# Altium PCB AI_XiaoZhi_4G.PcbDoc (continued)
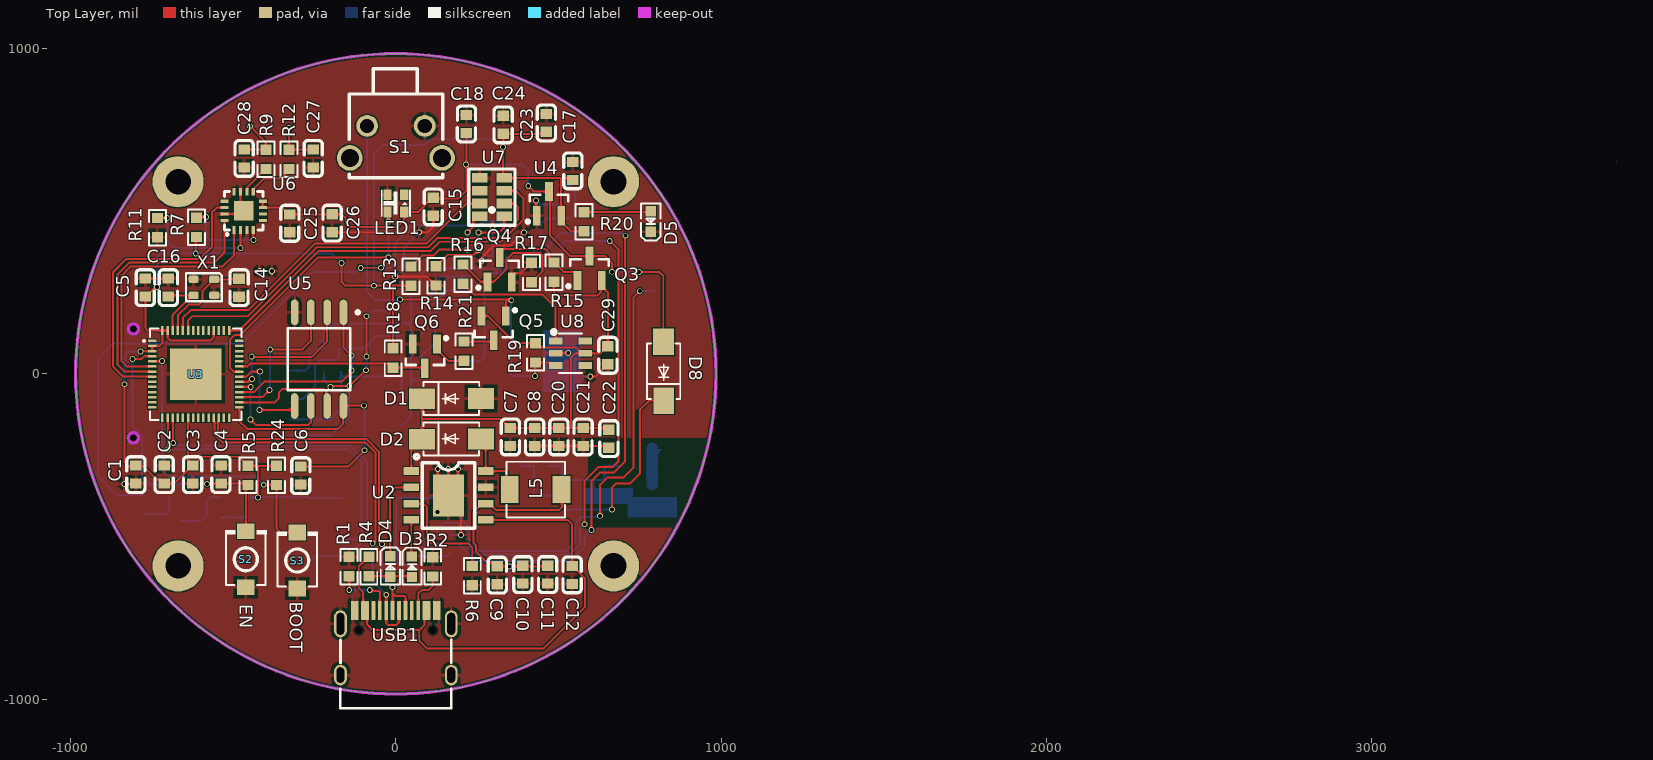
[diagram p0: Top Layer view]
## Footprints (in the part's own frame and the unit in brackets; to place one, negate y for a bottom-side part, rotate by r counter-clockwise, add the part's x,y. Pads: shape width x height; smd on the part's side, far side on the other; paste and mask are expansions set on the pad) (continued)
  Keep-Out Layer circle w0.254: c3.5,-5.49 r0.4
  Keep-Out Layer circle w0.025: c3.5,-5.49 r0.4
  Keep-Out Layer circle w0.254: c-5,-5.49 r0.4
  Keep-Out Layer circle w0.025: c-5,-5.49 r0.4
  silkscreen extent -6.73,-8.25 6.73,6.73, body extent -6.62,-7.77 6.42,6.8, height 1.35
SMD_L4.4-W4.2 [mm]
  rect 1.4x2.12 smd: 1(2.028,0) 2(-2.028,0)
  silkscreen extent -2.28,-2.18 2.28,2.18, body extent -2.2,-2.1 2.2,2.1, height 2.1
SOIC-8 [mm]
  oval 2x0.6 smd: 1(-3.658,1.905) 2(-3.658,0.635) 3(-3.658,-0.635) 4(-3.658,-1.905) 5(3.658,-1.905) 6(3.658,-0.635) 7(3.658,0.635) 8(3.658,1.905)
  silkscreen extent -3.78,-2.45 2.41,3.15, body extent -3.95,-2.62 3.95,2.62, height 1.9
SOT-23 [mm]
  rect 1.5x0.6 smd: 1(-0.95,0.95) 2(-0.95,-0.95) 3(0.95,0)
  silkscreen extent -1.52,-1.5 0.7,1.78, body extent -1.16,-1.45 1.21,1.45, height 1
SOT-23-6 [mil]
  rect 20.95x42.2 smd: 1(-37.4,-45.24) 2(0,-45.24) 3(37.4,-45.24) 4(37.4,45.24) 5(0,45.24) 6(-37.4,45.24)
  silkscreen extent -72,-57 61,35, body extent -57,-55 57,55, height 63
SOT-363 [mm]
  rect 0.9x0.4 smd: 1(0.9,-0.65) 2(0.9,0) 3(0.9,0.65) 4(-0.9,0.65) 5(-0.9,0) 6(-0.9,-0.65)
  silkscreen extent -0.7,-1.4 1.14,1.1, body extent -1.06,-1 1.06,1, height 1.2
SW-SMD_L3.9-W3.0-P4.45 [mm]
  rect 1.23x1.36 smd: 1(-2.185,0) 2(2.185,0)
  silkscreen extent -2.03,-1.62 2.25,1.62, body extent -2.37,-1.42 2.43,1.48, height 1.95
SW_TS [mm]
  round 1.7 hole 1.1: 1(-2.25,-1.25) 2(2.25,-1.25)
  round 2 hole 1.4: 3(3.6,1.25) 4(-3.6,1.25)
  silkscreen extent -3.65,-5.71 3.65,2.79, body extent -4.18,-5.19 4.18,2.86, height 7.37
TQFN-16 [mm]
  rect 0.25x0.6 smd paste-100 mask+0.051: 1(-0.748,-1.5) 2(-0.249,-1.5) 3(0.252,-1.5) 4(0.751,-1.5) 9(0.75,1.5) 10(0.25,1.5) 11(-0.25,1.5) 12(-0.748,1.5)
  rect 0.6x0.25 smd paste-100 mask+0.051: 5(1.5,-0.748) 6(1.5,-0.248) 7(1.5,0.252) 8(1.5,0.752) 13(-1.5,0.752) 14(-1.5,0.252) 15(-1.5,-0.248) 16(-1.5,-0.748)
  rect 1.5x1.5 smd paste-100 mask+0.051: 17(0,0)
  silkscreen extent -1.5,-1.9 1.5,1.5, body extent -1.51,-1.51 1.51,1.51, height 0.75
TSSOP-20_L6.5-W4.4-P0.65-LS6.4-BL [mil]
  oval 14.33x68.58 smd: 1(-115.16,-113.03) 2(-89.57,-113.03) 3(-63.98,-113.03) 4(-38.39,-113.03) 5(-12.79,-113.03) 6(12.8,-113.03) 7(38.39,-113.03) 8(63.98,-113.03) 9(89.57,-113.03) 10(115.16,-113.03) 11(115.16,113.03) 12(89.57,113.03) 13(63.98,113.03) 14(38.39,113.03) 15(12.8,113.03) 16(-12.79,113.03) 17(-38.39,113.03) 18(-63.98,113.03) 19(-89.57,113.03) 20(-115.16,113.03)
  silkscreen extent -146,-119 131,70, body extent -128,-126 128,126, height 41
Type-C-TOP [mm]
  round 0.65 hole 0.65: 0(-0.98,2.89) 0(-0.98,-2.89)
  oval 1.6x1 hole 0.6 slot 1.2 at 0 deg: 1(2.52,4.325) 2(2.52,-4.325)
  oval 2.1x1 hole 0.6 slot 1.7 at 0 deg: 3(-1.48,-4.325) 4(-1.48,4.325)
  rrect50% 1.5x0.3 smd: A1(-2.52,-3.35) A4(-2.52,-2.55) A5(-2.52,-1.25) A6(-2.52,-0.25) A7(-2.52,0.25) A8(-2.52,1.25) A9(-2.52,2.55) A12(-2.52,3.35) B1(-2.52,3.05) B4(-2.52,2.25) B5(-2.52,1.75) B6(-2.52,0.75) B7(-2.52,-0.75) B8(-2.52,-1.75) B9(-2.52,-2.25) B12(-2.52,-3.05)
  silkscreen extent -0.22,-4.33 5.12,4.33, body extent -2.57,-4.48 5.18,4.47, height 3.26

## Part data
C1 C2 C3 C4 C5 C6 C7 C8 C9 C10 C11 C12 C14 C15 C16 C17 C18 C19 C20 C21 C22 C23 C24 C25 C26 C27 C28 C29 C30 C31 C32 C33: "无极性电容", LatestRevisionDate=17-Jul-2002, LatestRevisionNote="Re-released for DXP Platform.", PackageReference=RAD-0.3, Published=8-Jun-2000, Publisher="Altium Limited"
C13 C34: "极性电解电容", LatestRevisionDate=17-Jul-2002, LatestRevisionNote="Re-released for DXP Platform.", PackageReference=RB7.6-15, Published=8-Jun-2000, Publisher="Altium Limited", Vol=6.3V
D1: "稳压二极管", Code_JEDEC=DO-214-AA, LatestRevisionDate=17-Jul-2002, LatestRevisionNote="Re-released for DXP Platform.", PackageReference=SMB, Published=8-Jun-2000, Publisher="Altium Limited"
D2 D8: "二极管", PackageDocument=Sep-1996, Code_JEDEC=DO-214-AB, LatestRevisionDate=17-Jul-2002, LatestRevisionNote="Re-released for DXP Platform.", PackageReference=SMC, Published=8-Jun-2000, Publisher="Altium Limited"
  D2: Type=SS34
  D8: Type=ES1J
D3 D4 D5 D7: "发光二极管", LatestRevisionDate=08-Jul-2005, LatestRevisionNote="Mech Layer 1 removed.", PackageReference=LED-0, Published=8-Jun-2000, Publisher="Altium Limited"
D6: Breakdown Voltage=6.2V, JLCPCB Part Class="Extended Part", Manufacturer=onsemi(安森美), Maximum Clamping Voltage=12.5V, Operating Temperature=-40℃~+125℃@(Tj), Peak Pulse Power Dissipation (Ppp)@10/1000us=100W, Reverse Stand-Off Voltage (Vrwm)=5V, Add into BOM=yes, Convert to PCB=yes, Datasheet=https://atta.szlcsc.com/upload/public/pdf/source/20140815/1457707218009.pdf, Device=SMF05CT1G, LCSC Part Name=SMF05CT1G, Manufacturer Part=SMF05CT1G, Number of Lines=五路, Supplier=LCSC, Supplier Footprint=SOT-363-6, Supplier Part=C15879, Symbol=SMF05CT1G, Type=ESD
IPX1: library part IPEX-1, "IPEX座-1代"
L5: "电感", Code_IEC=1005, Code_JEITA=0402, LatestRevisionDate=17-Jul-2002, LatestRevisionNote="Re-released for DXP Platform.", PackageReference=0402-A, Published=8-Jun-2000, Publisher="Altium Limited"
LED1: JLCPCB Part Class="Extended Part", LCSC Part Name=幻彩透明, Manufacturer=XINGLIGHT(成兴光), Add into BOM=yes, Convert to PCB=yes, Datasheet=https://atta.szlcsc.com/upload/public/pdf/source/20230111/97A2D5930F183799801175706AF118AF.pdf, Device=XL-2020RGBC-WS2812B, Manufacturer Part=XL-2020RGBC-WS2812B, Supplier=LCSC, Supplier Footprint=2020, Supplier Part=C5349955, Symbol=XL-2020RGBC-WS2812B
P1 P2: "接插件", LatestRevisionDate=17-Jul-2002, LatestRevisionNote="Re-released for DXP Platform.", Publisher="Altium Limited"
Q2 Q4 Q6: library part NPN_BJT, "NPN三极管", PackageDocument=Sep-1998, Code_JEDEC=TO-92A, ComponentLink1Description="Manufacturer Link", ComponentLink1URL=http://www.fairchildsemi.com/, ComponentLink2Description=Datasheet, ComponentLink2URL=http://www.fairchildsemi.com/ds/2N%2F2N3904.pdf, DatasheetDocument=1997, LatestRevisionDate=15-Jan-2003, LatestRevisionNote="PCB Footprint 'BCY-W3/D4.7' replaced", PackageReference=TO-92A, Published=8-Jun-2000, Publisher="Altium Limited"
Q3 Q5: "PNP MOS管", PackageDocument=1995/1996, LatestRevisionDate=17-Jul-2002, LatestRevisionNote="Re-released for DXP Platform.", PackageReference=E3, Published=8-Jun-2000, Publisher="Altium Limited"
R1 R2 R4 R5 R6 R7 R8 R9 R10 R11 R12 R13 R14 R15 R16 R17 R18 R19 R20 R21 R22 R23 R24 R25 R26 R27 R30 R31 R32: "贴片电阻", LatestRevisionDate=17-Jul-2002, LatestRevisionNote="Re-released for DXP Platform.", PackageReference=AXIAL-0.4, Published=8-Jun-2000, Publisher="Altium Limited"
S1: library part SW-TS, "微动开关", LatestRevisionDate=17-Jul-2002, LatestRevisionNote="Re-released for DXP Platform.", PackageReference=SPST-2, Published=24-Mar-1999, Publisher="Altium Limited"
S2 S3: "微动开关", LatestRevisionDate=17-Jul-2002, LatestRevisionNote="Re-released for DXP Platform.", PackageReference=SPST-2, Published=24-Mar-1999, Publisher="Altium Limited"
SIM1: JLCPCB Part Class="Extended Part", LCSC Part Name="自弹式 NanoSIM卡 卡座", Manufacturer="SHOU HAN(首韩)", Operating Temperature Range=-40℃~+70℃, Add into BOM=yes, Body Height (Max)=1.37mm, Card Connection Mode=自弹式, Card Detection=有插卡检测, Card Type=NanoSIM卡, Connector Type=卡座, Convert to PCB=yes, Datasheet=https://atta.szlcsc.com/upload/public/pdf/source/20230818/0FFC58DEBCCAE2358C5DB79170A6475F.pdf, Device="NANO SIM 7P H1.37", Manufacturer Part="NANO SIM 7P H1.37", Supplementary Features=-, Supplier=LCSC, Supplier Footprint=SMD, Supplier Part=C7529384, Symbol="NANO SIM 7P H1.37"
U1: JLCPCB Part Class="Extended Part", LCSC Part Name=ML307A-DNLM, Add into BOM=yes, Convert to PCB=yes, Datasheet=https://atta.szlcsc.comnull, Device=ML307R-DC, Manufacturer Part=ML307A-DNLM, Name=ML307A-DNLM, Supplier=LCSC, Supplier Footprint=LCC+LGA, Supplier Part=C9900016206, Symbol=ML307R-DC
U2: "单节锂电池充电管理模块", JLCPCB Part Class="Extended Part", Manufacturer=TOPPOWER(南京拓微), Add into BOM=yes, Convert to PCB=yes, Datasheet=https://atta.szlcsc.com/upload/public/pdf/source/20210909/352D9D40D77A1DD73F7904E364EF004B.pdf, Device=TP5400, LCSC Part Name=TP5400, Manufacturer Part=TP5400, Supplier=LCSC, Supplier Footprint=ESOP-8, Supplier Part=C2891434, Symbol=TP5400_C2891434
U3: Frequency Range=2.412GHz~2.484GHz, JLCPCB Part Class="Extended Part", Manufacturer=ESPRESSIF(乐鑫), Operating Temperature=-40℃~+85℃, Operating Voltage=3.3V, Output Power=21dBm, Add into BOM=yes, Applications=蓝牙；WiFi, Convert to PCB=yes, Data Rate=150Mbps, Datasheet=https://atta.szlcsc.com/upload/public/pdf/source/20231007/CDA236FFCB3F25B7D5220D2CA9867287.pdf, Device=ESP32-S3R8, Interface=I2C,I2S,SPI,UART,USB, LCSC Part Name=ESP32-S3R8, Manufacturer Part=ESP32-S3R8, Sensitivity=-98.4dBm, Supplier=LCSC, Supplier Footprint=QFN-56(7x7), Supplier Part=C2913194, Symbol=ESP32-S3(R8)
U4: library part XC6206PXXX, "LDO稳压芯片"
U5: "flash", JLCPCB Part Class="Extended Part", Manufacturer=BOYAMICRO(博雅), Add into BOM=yes, Convert to PCB=yes, Datasheet=https://atta.szlcsc.com/upload/public/pdf/source/20200115/C484307_596E90FF37B40D62A7480E9A92FA21AA.pdf, Device=BY25Q128ASSIG(T), LCSC Part Name=BY25Q128ASSIG(T), Manufacturer Part=BY25Q128ASSIG(T), Supplier=LCSC, Supplier Footprint=SOP-8-208mil, Supplier Part=C484307, Symbol=BY25Q128ASSIG(T)
U6: "扬声器驱动芯片", JLCPCB Part Class="Extended Part", LCSC Part Name="微型、低成本、PCM 类 D 级放大器具有 AB 级性能", Manufacturer=ADI(亚德诺)/MAXIM(美信), Operating Temperature=-40℃~+85℃, Output Power=3.2Wx2@4Ω, Supply Voltage=2.5V~5.5V, Type of Power Amplifier=-, Add into BOM=yes, Convert to PCB=yes, Datasheet=https://atta.szlcsc.com/upload/public/pdf/source/20210106/C910544_CB6DE4B2CEE254A72E6BDB40E718D281.pdf, Device=MAX98357AETE+T, Manufacturer Part=MAX98357AETE+T, Speaker Channels=单声道, Supplier=LCSC, Supplier Footprint=TQFN-16-EP(3x3), Supplier Part=C910544, Symbol=MAX98357AETE+T
U7: library part MIC, JLCPCB Part Class="Extended Part", Manufacturer=MEMS(敏芯微), Add into BOM=yes, Convert to PCB=yes, Datasheet=https://atta.szlcsc.com/upload/public/pdf/source/20210707/C2840615_6AE5BCBEE3224C96A8195D5DC270E7C8.pdf, Device=MSM261S4030H0R, LCSC Part Name=MSM261S4030H0R, Manufacturer Part=MSM261S4030H0R, Supplier=LCSC, Supplier Footprint=-, Supplier Part=C2840615, Symbol=MSM261S4030H0R
U8: "长按开关机"
U9: JLCPCB Part Class="Extended Part", LCSC Part Name="100Mbps 8位双向电平转换器", Manufacturer=TI(德州仪器), Operating Temperature=-40℃~+85℃, Supply Voltage (VCCA)=1.2V~3.6V, Supply Voltage (VCCB)=1.65V~5.5V, Add into BOM=yes, Channel Type=双向, Channels per Circuit=8, Convert to PCB=yes, Data Rate=100Mbps, Datasheet=https://www.ti.com/cn/lit/gpn/txb0108, Device=TXB0108PWR, Features=自动方向检测, Input Signal=-, Manufacturer Part=TXB0108PWR, Number of Circuits=1, Output Signal=-, Output Type=三态；非反相, Supplier=LCSC, Supplier Footprint=TSSOP-20, Supplier Part=C53406, Symbol=TXB0108PWR
USB1: library part USB-Type-C-TOP, "16Pins TYPEC"
X1: library part XTAL4G, "无源晶振", Package="SMD-6 ECS International", Availability=Unavailable, MF="ECS International", MP=ECS-3225S30-240-EN-TR, Price="0.75 USD"

## Free pads (board coordinates)
  round 157.48 hole 78.74: 0(-669.29,-590.55) 0(-669.29,590.55) 0(669.29,-590.55) 0(669.29,590.55)

## Via types
v1: diameter 18, hole 12, Top Layer to Bottom Layer, 80 vias
v2: diameter 20, hole 12, Top Layer to Bottom Layer, 2 vias

## Nets (pads, with @x,y where several pads share a name; then routed paths per layer and width w, separated by ;. In a path a pad name is that pad's centre, name@x,y a point inside that pad or via, vN(x,y) a via of type N, cw(c..) or ccw(c..) an arc to the next point about the centre after c; other vN are vias at no path point)
3V3: C1.2 C2.1 C3.2 C5.1 C17.2 C23.1 C24.1 C32.2 C33.2 R5.2 R7.2 R13.2 R18.1 R20.2 R24.2 R27.2 U3.2 U3.3 U3.20 U3.46 U3.55 U3.56 U4.2 U7.8 U9.19 | length 4736.8
  Top Layer w6: v1(-834,-32) -834,-272 -822.16,-283.84 -800.8,-283.84 C1.2 -797.23,-283.73 -775.75,-283.73 -734.14,-325.34 -723.52,-325.34 C2.1 -681.6,-337.12 -626.48,-282 C3.2@-625.87,-282 ; v1(-785,69) -784.57,69.43 -749.59,69.43 U3.3 U3.2 -726.39,85.61 -717.36,94.64 U3.56 ; v1(-734,267) -736.3,264.7 -741.06,264.7 -767.99,237.78 C5.1 -769.95,140.95 -762,133 -717.51,133 U3.56 ; U3.20 -638.62,-269.25 C3.2@-625.87,-282 ; v1(-615,370) -615,418.8 R7.2 ; U3.46 -559.88,113.12 -571,102 -693,102 -701.62,110.61 U3.55 U3.56 ; v1(-424,-380) -423,-379 -423,-282.7 ; R24.2 -423,-282.7 ; v1(-167,341) -167,283 -154.81,270.81 v1(-66.81,270.81) -7.99,270.81 ; R18.1 -7.99,270.81 ; R13.2 -7.99,270.81 ; C23.1 457.05,737.78 C24.1 330.05,604.87 U7.8 508,602.11 ; C17.2 537.95,602.11 508,602.11 ; R20.2 538.47,437.81 508.4,467.88 U4.2 508.4,601.71 508,602.11 ; C3.2@-625.87,-282 C3.2 -622.54,-282 -595.54,-255 -483.07,-255 -455.36,-282.7 R5.2 -423,-282.7
  Bottom Layer w6: v1(-834,-32) -834,59 -824,69 v1(-785,69) ; v1(-734,267) -734,359 -722,371 -616,371 v1(-615,370) -198,370 -197.49,370.51 -167.97,341 v1(-167,341) ; R27.2 -270.34,-378.81 C32.2 -267.72,-381.43 U9.19 ; v1(-66.81,270.81) -66.6,271.02 -66.6,491.27 -66.39,491.48 -66.39,675.61 -39,703 88,703 106,721 306,721 v1(330,697)
BCLK_SPK: U3.7 U6.16 | length 847.9
  Top Layer w6: U3.7 -833.88,6.88 -856,29 -856,305 -819,342 -558,342 -526.64,373.36 U6.16
CHIP_PU: C4.1 R5.1 S2.2 U3.4 | length 921.7
  Top Layer w6: v1(-809,45) -782,45 -772.88,54.12 U3.4 U3.4@-748.22,55.06 ; v1(-579.99,-338.13) -578.98,-337.12 C4.1 -459.13,-337.12 R5.1 -461,-348.8 S2.2
  Bottom Layer w6: v1(-809,45) -809,-161 -780,-190 -780,-316 -756,-340 -688.75,-340 -686.87,-338.13 v1(-579.99,-338.13)
DC_RX: U3.17 U9.13 | length 1019.4
  Top Layer w6: U3.17 -684.93,-136.09 -684.93,-212.07 v1(-684,-213)
  Bottom Layer w6: v1(-684,-213) -681.49,-213 -674.49,-220 -142,-220 -88,-274 -88,-500 -122.98,-534.98 U9.13
DC_TX: U3.16 U9.14 | length 997.5
  Top Layer w6: U3.16 -700.81,-135.96 -700.81,-232.19 v1(-700,-233)
  Bottom Layer w6: v1(-700,-233) -144,-233 -106,-271 -106,-492 -123.39,-509.39 U9.14
DIN_SPK: U3.6 U6.1 | length 812.7
  Top Layer w6: U3.6 -826.62,22.62 -843,39 -843,302 -815,330 -532,330 -497.05,364.95 U6.1
GAIN_SPK: R11.2 U6.2 | length 391.5
  Top Layer w6: R11.2 -732.82,479 v1(-703,479) ; U6.2 -477.18,441.82 -477.18,387.18 v1(-477,387)
  Bottom Layer w6: v1(-703,479) -703,407 -683,387 v1(-477,387)
GND: C1.1 C2.2 C3.1 C4.2 C5.2 C6.1 C7.2 C8.2 C9.2 C10.2 C11.2 C12.2 C13.2 C14.2 C15.1 C16.2 C17.1 C18.1 C19.1 C20.2 C21.2 C22.2 C23.2 C24.2 C25.2 C26.2 C27.2 C28.2 C29.1 C30.1 C31.1 C32.1 C33.1 C34.2 D1.1 D5.2 D6.2 IPX1.1 IPX1.3 LED1.2 P1.2 Q2.2 Q4.2 Q6.2 R1.2 R2.1 R6.2 R11.1 R14.2 R17.2 R26.2 R31.2 R32.2 S1.1 S2.1 S3.1 SIM1.5 SIM1.9 SIM1.10 SIM1.11 SIM1.12 U1.1 U1.10 U1.27 U1.34 U1.36 U1.37 U1.40 U1.41 U1.45 U1.46 U1.47 U1.48 U1.70 U1.71 U1.72 U1.73 U1.88 U1.89 U1.90 U1.91 U1.92 U1.93 U1.94 U1.95 U2.7 U2.9 U3.57 U4.1 U5.4 U6.3 U6.11 U6.15 U6.17 U7.1 U8.2 U9.11 USB1.1 USB1.2 USB1.3 USB1.4 USB1.A1 USB1.A12 USB1.B1 USB1.B12 X1.2 X1.4 | length 2674.8
  Top Layer w6: v1(-834.25,-338.39) -800.22,-338.39 C1.1 ; C5.2 C16.2 ; U6.15 -477.34,491.29 U6.17 -477.43,510.9 U6.11 ; C26.2 v1@63.89,435.11 ; USB1.A1 USB1.B12 ; v1(-2,299) 94.55,299 121.87,271.68 R14.2 ; v1@71.88,435 98,435 115.05,452.05 C15.1 ; USB1.B1 USB1.A12 ; v1(129,-293) 129,-341 U2.9@161.31,-373.31 ; v1(161.31,-292.29) U2.9@161.31,-373.31 ; v1(191,-292) 191,-345 U2.9 ; v1(200,-495) 200,-412 U2.9 ; v1(263.78,346.86) 265.05,348.12 265.05,359.05 301,395 354,395 v1(394,435) ; v1@296.5,453.5 v1(297,453) ; Q4.2 356.4,300.32 365.21,309.13 383.79,309.13 415.86,341.19 R17.2 ; C8.2 C20.2 C21.2 649.95,-221.89 C22.2 ; v1(431,533) 431,488.2 U4.1 ; U8.2 492.52,64 v1(530,64) ; v1(597.57,-8.64) 613.63,-8.64 C29.1 654.01,29.78 C29.1@666.76,17.03 ; U2.9@161.31,-373.31 U2.9
  Bottom Layer w6: v1(-2,299) 25,326 25,388 71.88,434.88 v1(71.88,435.23) ; v1(128.38,-424.14) 163.86,-424.14 C31.1 ; R32.2 169.2,-495 v1(200,-495) ; v1(263.78,346.86) 279.13,362.21 U1.95 297,363.93 v1(297,453) ; v1(431,533) 443.19,520.81 R26.2 ; U1.41 U1.40 511,-284.28 511,-322.49 514.51,-326 603,-326 ; U1.94 569.83,-8.91 596.65,-8.91 v1@597.57,-8 ; C13.2 607.24,-330.24 603,-326 ; U1.36 U1.37 641.73,-319.27 635,-326 603,-326
  other v2: -419,315 -381,316
GPIO0: R24.1 S3.2 U3.5 | length 937.7
  Top Layer w6: U3.5 -748.84,38.69 -719.31,38.69 v1(-719,39) ; v1(-406,-341) -368.03,-341 R24.1 -367.01,-473.99 -353.02,-487.98 S3.2
  Bottom Layer w6: v1(-719,39) -719,-295 -699,-315 -432,-315 v1(-406,-341)
LED: LED1.3 U3.36 | length 853.6
  Top Layer w6: U3.36 -498.88,6.88 -510,18 -510,105 -495,120 -477,120 -240,357 v1(-23,357) ; LED1.3 -23,494.84 v1(-23,468)
  Bottom Layer w6: v1(-23,357) v1(-23,468)
LRCLK_SPK: U3.8 U6.14 | length 910.1
  Top Layer w6: U3.8 -838.12,-8.88 -869,22 -869,313 -829,353 -602,353 -565,390 -565,496 -550.02,510.98 U6.14
NET_LED: R30.2 U1.16 | length 2161.4
  Top Layer w6: v1(-107.89,325.65) -107.54,326 v1(-46,326)
  Bottom Layer w6: R30.2 -857.19,-371.81 -915,-314 -915,46 -868,93 -475,93 -254.5,313.5 -254,313 -120.54,313 v1(-107.89,325.65) ; v1(-46,326) -14,326 -3,337 -3,401 52,456 258,456 272,470 318,470 334,454 334,426 345,415 406,415 425.2,395.8 U1.16
NetD2_1: D2.1 L5.2 U2.8 | length 227.3
  Top Layer w6: D2.1 276.5,-214.95 U2.8 336,-299 340,-303 340,-345.84 L5.2
NetD3_1: D3.1 D4.1 R4.1 | length 133.6
  Top Layer w6: R4.1 46.75,-622.13 D3.1
NetD3_2: D3.2 U2.4 | length 113.6
  Top Layer w6: U2.4 47.5,-560.19 D3.2
NetD4_2: D4.2 U2.2 | length 267.9
  Top Layer w6: D4.2 -17.27,-364.27 -2,-349 U2.2
NetD5_1: D5.1 R20.1 | length 205.9
  Top Layer w6: R20.1 780.9,497.13 D5.1
NetD7_1: D7.1 R27.1 | length 78.2
  Bottom Layer w6: D7.1 -463.86,-441 R27.1
NetD7_2: D7.2 Q2.3 | length 176.2
  Bottom Layer w6: Q2.3 -601.8,-452.8 -582,-433 -582,-391 -569.04,-378.04 D7.2
NetIPX1_2: IPX1.2 U1.35 | length 112
  Bottom Layer w35: IPX1.2 U1.35@788,-229
NetQ2_1: Q2.1 R30.1 | length 123.9
  Bottom Layer w6: R30.1 -705.13,-431.13 -696,-422 -696,-378.2 Q2.1
NetQ3_1: Q3.1 Q4.3 R15.2 | length 320.4
  Top Layer w6: Q4.3 319,375.12 327.81,383.93 458.93,383.93 471.98,370.87 471.98,355.07 484.86,342.19 R15.2 487.12,342.19 515.79,313.53 549.39,313.53 558.2,304.72 Q3.1
NetQ4_1: Q4.1 R16.2 R17.1 | length 420.6
  Top Layer w6: R16.2 207.12,336.19 260.72,282.6 Q4.1 300.6,282.6 340,322 340,351 360,371 444,371 451,364 451,315.88 431,295.88 431,294.75 418.12,281.87 R17.1
NetQ5_3: Q5.3 R21.1 | length 92.6
  Top Layer w6: R21.1 297.13,99.13 Q5.3
NetQ6_1: Q6.1 R21.2 | length 115.2
  Top Layer w6: Q6.1 126.8,74.28 161.28,39.81 R21.2
NetR1_1: R1.1 USB1.A5 | length 195.7
  Top Layer w6: R1.1 -143,-623.14 v1(-143,-664) ; v1(-80,-665) -78,-667 -53,-667 -49.21,-670.79 USB1.A5
  Bottom Layer w6: v1(-143,-664) -142,-665 v1(-80,-665)
NetR2_2: R2.2 USB1.B5 | length 135.3
  Top Layer w6: USB1.B5 68.9,-675.1 79,-665 100,-665 113.51,-651.49 R2.2
NetR6_1: R6.1 U2.3 | length 357.6
  Top Layer w6: U2.3 85,-399 96,-410 96,-508 109,-521 222,-521 235.01,-534.01 R6.1
NetR8_1: R8.1 U1.11 | length 271.7
  Bottom Layer w6: R8.1 76.13,52.14 121,97.01 121,189 144.6,212.6 U1.11
NetR9_1: R9.1 U6.10 | length 94.5
  Top Layer w6: U6.10 -455.82,562.03 -455.82,574.62 -400.62,629.81 R9.1
NetR10_1: R10.1 U1.12 | length 242
  Bottom Layer w6: R10.1 77.13,118.14 105,146.01 105,205 155.91,255.91 U1.12
NetR12_1: R12.1 U6.9 | length 149.5
  Top Layer w6: U6.9 -438.06,567 -404.06,601 -345.57,601 -342.06,604.51 -342.06,616.94 -329.18,629.81 R12.1
NetR13_1: R13.1 U7.4 | length 317.4
  Top Layer w6: R13.1 48.14,330.13 81.01,363 115,363 134,382 v1(220,382) ; v1(220,434) 237.38,451.38 237.38,472.24 249.14,484 U7.4
  Bottom Layer w6: v1(220,382) v1(220,434)
NetR14_1: R14.1 U7.5 | length 324.3
  Top Layer w6: R14.1 124.13,331 159.13,366 240,366 v1(254,380) ; v1(254,434) 316,434 332.8,450.8 U7.5
  Bottom Layer w6: v1(254,380) v1(254,434)
NetR22_1: R22.1 U1.13 | length 218.7
  Bottom Layer w6: R22.1 74.13,195.14 112,233.01 112,271 140.21,299.21 U1.13
NetR23_1: R23.1 U1.14 | length 333.6
  Bottom Layer w6: R23.1 76.32,304.32 96,324 314.16,324 338.58,348.43 U1.14
NetR31_1: R31.1 U9.12 | length 107.4
  Bottom Layer w6: R31.1 -266.87,-576 -251.44,-560.57 U9.12
NetR32_1: R32.1 U9.9 | length 110.9
  Bottom Layer w6: U9.9 156.57,-560.57 R32.1
OUTN_SPK: C28.1 P2.2 R9.2 | length 198.9
  Top Layer w6: C28.1 -399.59,689.22 R9.2 -399.49,712.49 v1(-448,761)
  Bottom Layer w6: v1(-448,761) -417.01,761 P2.2
OUTP_SPK: C27.1 P2.1 R12.2 | length 175.7
  Top Layer w6: v1(-327.98,755.84) -328.74,755.08 R12.2 -254.14,689.13 C27.1
  Bottom Layer w6: P2.1 -360.14,755.84 v1(-327.98,755.84)
PWR_ON: Q5.1 R19.2 S1.2 U8.3 | length 1430
  Top Layer w6: v1(13,228) 341,228 ; Q5.1 338.4,225.4 341,228 ; v1(355,226) 353,228 341,228 ; v1(428,-7) 428,33.8 R19.2 471.68,34.81 480.89,25.6 U8.3
  Bottom Layer w6: S1.2 -88.16,252.16 -63,227 12,227 v1(13,228) ; v1(355,226) 353.5,224.5 353.5,-2.5 358,-7 v1(428,-7)
PWR_ON_EN: R16.1 U8.1 | length 420.3
  Top Layer w6: R16.1@205,279 240,244 450,244 491.52,202.48 U8.1
PWRKEY: R26.1 U1.7 | length 848.3
  Bottom Layer w6: U1.7 259.37,39.37 273,53 273,290 293,310 320,310 336,326 437,326 447,336 447,461 463,477 533,477 550,494 550,565 534.87,580.13 R26.1
RXD_H: U1.17 U9.8 | length 1887.9
  Top Layer w6: v1(601,-480) 601,-330 627,-304 670,-304 705,-269 705,423.75 v1(705.83,424.58)
  Bottom Layer w6: U9.8 117.02,-534.98 130,-522 193,-522 246,-575 536,-575 579.59,-531.41 579.59,-501.41 v1(601,-480) ; U1.17 468.5,393.5 508,433 696.31,433 704.74,424.58 v1(705.83,424.58)
SCK_MIC: U3.51 U7.6 | length 1259.4
  Top Layer w6: U3.51 -638.62,164.38 -626,177 -455,177 -243,389 100,389 129,418 319,418 376,475 376,512 364.63,523.37 U7.6
SD_MIC: U3.43 U7.7 | length 1180.4
  Top Layer w6: U3.43 -481.85,133.15 -238,377 106,377 135,406 324,406 392,474 392,540 369.26,562.74 U7.7
SD_SPK: R7.1 U6.4 | length 270.8
  Top Layer w6: R7.1 -611.05,482.07 v1(-583.07,482.07) ; v1(-438,411) U6.4
  Bottom Layer w6: v1(-583.07,482.07) -583.07,423.07 -571,411 v1(-438,411)
SIM_CLK: D6.3 R22.2 SIM1.3 | length 767.1
  Top Layer w6: v1(-201,-41) -198,-38 -144,-38 v1(-143,-37) -141.07,-37 -93.04,11.02 v1(-91.11,11.02) ; v1(-90,53) v1(-90,177)
  Bottom Layer w6: SIM1.3 -201.16,-190.16 -144,-133 -144,-38 v1(-143,-37) ; D6.3 -221.59,-20.41 v1(-201,-41) ; v1(-91.11,11.02) -90,12.13 v1(-90,53) ; v1(-90,177) -72.99,194.01 R22.2
SIM_DAT: C30.2 D6.1 R8.2 R25.1 SIM1.7 | length 613.8
  Bottom Layer w6: SIM1.7 -201.16,-140.16 -169,-108 D6.1@-169,-4.68 ; D6.1 -169,5.16 D6.1@-169,-4.68 ; R8.2 16.81,-15.01 16.81,-84.75 C30.2 ; R25.1 10.01,-8.14 -165.54,-8.14 D6.1@-169,-4.68
SIM_RST: D6.6 R10.2 SIM1.2 | length 479.7
  Bottom Layer w6: SIM1.2 -312.43,-77.41 -286.41,-77.41 -249,-40 -249,25 -231,43 -183,43 -175.28,50.72 -175.28,72.57 D6.6 -97.57,77.43 -57.99,117.01 R10.2
SIM_VDD: C19.2 D6.4 R23.2 R25.2 SIM1.1 | length 963
  Bottom Layer w6: SIM1.1 -278.16,9.84 -265,23 -265,57 -244.57,77.43 D6.4 -221.59,128.41 -196,154 47,154 ; R23.2 17,263.87 47,233.87 47,154 ; C19.2 19.11,-159.08 47,-131.18 47,-20 ; R25.2 71.2,-20 47,-20 ; 47,-20 47,154
SPICLK: U3.33 U5.6 | length 381.8
  Top Layer w6: U3.33 -446.37,-40.37 v1(-446,-40) ; v1(-447,-140) -430,-157 -269,-157 -261,-149 U5.6
  Bottom Layer w6: v1(-447,-140) -447,-41 v1(-446,-40)
SPICS0: U3.32 U5.1 | length 563.9
  Top Layer w6: U3.32 -436.12,-56.12 -403,-23 -165,-23 -136,6 v1(-136,10) ; U5.1 -161,81 v1(-136,56)
  Bottom Layer w6: v1(-136,10) v1(-136,56)
SPID: U3.35 U5.5 | length 303.1
  Top Layer w6: U3.35 -459.88,-8.88 -444,7 v1(-418,7) ; v1(-419,-111) -319.14,-111 -311,-102.86 U5.5
  Bottom Layer w6: v1(-419,-111) -418.5,-110.5 -418.5,6.5 v1(-418,7)
SPIHD: U3.30 U5.7 | length 342.8
  Top Layer w6: U3.30 -372.62,-87.62 -359,-74 -359,-57 -349,-47 -221,-47 -214.37,-53.63 -214.37,-95.63 U5.7
SPIQ: U3.34 U5.2 | length 453.1
  Top Layer w6: U3.34 -453.86,-24.62 -445.25,-16 v1(-442,-16) ; v1(-443,53) -442,52 -259,52 -211,100 U5.2
  Bottom Layer w6: v1(-443,53) -442.5,52.5 -442.5,-15.5 v1(-442,-16)
SPIWP: U3.31 U5.3 | length 451.5
  Top Layer w6: U3.31 -409.87,-71.87 v1(-388,-50) ; v1(-386,75) -287,75 -261,101 U5.3
  Bottom Layer w6: v1(-388,-50) -387,-49 -387,74 v1(-386,75)
TOGGLE_CHAT: Q6.3 R18.2 U3.37 | length 580
  Top Layer w6: U3.37 -455.74,22.62 -446.68,31.68 -20.87,31.68 R18.2 87.79,18.81 Q6.3
TXD_H: U1.18 U9.7 | length 1820.6
  Top Layer w6: v1(579.49,-462.51) 579.49,-330.51 624,-286 667,-286 685,-268 685,381.44 v1(657.72,408.72)
  Bottom Layer w6: U9.7 116.61,-509.39 131,-495 131,-476 148,-459 190,-459 225,-494 225,-534 247,-556 534,-556 566,-524 566,-476 v1(579.49,-462.51) ; U1.18 511.81,398.26 522.28,408.72 v1(657.72,408.72)
USB_5V: C12.1 R4.2 U2.5 USB1.A4 USB1.A9 USB1.B4 USB1.B9 | length 1632.9
  Top Layer w6: R4.2 -84.14,-562.81 -105.5,-584.17 -106.17,-584.17 -114,-592 -114,-658 -100.39,-671.61 USB1.A4 USB1.B9 -88.58,-770.42 -71,-788 72,-788 ; USB1.A9 USB1.B4 88.58,-771.42 72,-788 ; U2.5 528,-449 541.95,-462.95 C12.1 543.92,-590.78 581,-627.85 581,-717 453,-845 97,-845 72,-820 72,-788
USB_N: U3.25 USB1.A7 USB1.B7 | length 1197.4
  Top Layer w6: U3.25 -559.88,-144.31 -557.01,-147.18 -557.01,-187.14 -533.15,-211 -94,-211 -62,-243 -62,-511.49 -71,-520.49 v1(-71,-521) ; v1(-29.26,-679) -29.26,-727.3 USB1.B7 -29.53,-766.47 -24,-772 2,-772 9.35,-764.65 9.35,-728.05 USB1.A7
  Bottom Layer w6: v1(-71,-521) -71,-637.26 v1(-29.26,-679)
USB_P: U3.26 USB1.A6 USB1.B6 | length 1161.3
  Top Layer w6: U3.26 -544.14,-144.31 -547.01,-147.18 -547.01,-183 -529.01,-201 -89.86,-201 -52,-238.86 -52,-514.49 -43,-523.49 v1(-43,-524) ; v1(-10,-656) -9.84,-656.16 -9.84,-674.16 ; USB1.A6 -9.84,-674.16 ; USB1.B6 30,-727.09 30,-686.51 26.49,-683 -1,-683 -9.84,-674.16
  Bottom Layer w6: v1(-43,-524) -43,-626 -13,-656 v1(-10,-656)
V_4G: C13.1 C34.1 D8.2 U1.42 U1.43 | length 867.5
  Top Layer w6: v1(665,-417) 665,-349 677,-337 720,-337 750,-307 750,-111 778.31,-82.69 D8.2
  Bottom Layer w6: U1.43 U1.42 425.2,-372.04 C34.1 511.76,-374 C13.1 512.76,-407.76 522,-417 v1(665,-417)
VBAT: C9.1 C10.1 C11.1 L5.1 P1.1 U2.6 | length 880.3
  Top Layer w6: C11.1 464.62,-591.78 C9.1 299.21,-579.03 279.03,-579.03 247,-547 247,-526.82 239,-518.82 239,-424.69 264.69,-399 U2.6 288.31,-399 308.31,-419 501,-419 511,-409 511,-357.16 L5.1
  Bottom Layer w6: P1.1 349.79,-592.21 v1(350,-592)
VBAT_5V: C7.1 C8.1 C20.1 C21.1 C22.1 C29.2 D1.2 D2.2 Q3.2 Q5.2 R15.1 R19.1 U2.1 U8.5 | length 1921.5
  Top Layer w6: U2.1 47.5,-229.8 76.39,-200.91 D2.2 80.31,-138.91 ; D1.2 80.31,-138.91 ; Q5.2 283.2,177.8 366.87,94.13 R19.1 441.88,81.25 456.75,81.25 457,81 553.37,81 U8.5@571.37,63 ; R15.1 485.99,251.01 496,241 620,241 630.12,251.12 630.12,267.62 634.66,267.62 652.05,250.24 C29.2 650.08,84.89 628.18,63 U8.5 U8.5@571.37,63 ; C22.1 649.95,-166.78 C21.1 538.2,-166.78 ; 80.31,-138.91 322.12,-138.91 349.99,-166.78 C7.1 C8.1 C20.1 538.2,-166.78 ; 538.2,-166.78 538.2,49.2 552,63 U8.5@571.37,63
VDD_5V: C15.2 C18.2 C25.1 C26.1 D8.1 LED1.4 Q3.3 U4.3 U6.7 U6.8 | length 1988.6
  Top Layer w6: U6.8 U6.7 -348.95,510.98 -327.97,490 C25.1 -166,490 -153,477 -153,464 -140,451 5,451 25.59,471.59 LED1.4 69.61,497.42 111.18,539 193,539 216.95,562.95 C18.2 ; v1(407,577) 423.6,560.4 U4.3 474,557.4 474,424 536.2,361.8 Q3.3 643.2,361.8 664,341 664,314.39 v1(664.83,313.57) ; v1(748,313) 810,313 822,301 822,99.89 D8.1
  Bottom Layer w6: v1(216,643) 389,643 407,625 v1(407,577) ; v1(664.83,313.57) 747.43,313.57 v1(748,313)
VDD_EXT: C31.2 U1.24 U9.2 U9.10 | length 1911
  Top Layer w6: v1(628.07,-436.48) 628.07,-340.93 650,-319 699,-319 731,-287 731,235 v1(750,254)
  Bottom Layer w6: U9.10 11.16,-586.16 0,-575 0,-391 9.57,-381.43 U9.2 149.48,-381.43 165.03,-365.88 C31.2 168.97,-365.88 206.03,-402.94 206.03,-452.03 239,-485 239,-527 256,-544 526,-544 550,-520 550,-462 572,-440 626.97,-440 626.97,-437.58 v1(628.07,-436.48) ; v1(750,254) 795.34,254 U1.24 U1.24@797.34,256
VDD_SPI: C6.2 U3.29 U5.8 | length 850.1
  Top Layer w6: U3.29 -480.85,-145.16 -457,-169 -177,-169 -163,-155 -163,-101 U5.8 -160,-98 v1(-98,-98) ; C6.2 -146.11,-285.11 v1(-96,-235)
  Bottom Layer w6: v1(-98,-98) -96,-100 v1(-96,-235)
WS_MIC: U3.52 U7.3 | length 1096.5
  Top Layer w6: U3.52 -654.37,171.63 -630,196 -453,196 -248,401 95,401 216.89,522.89 257.52,522.89 U7.3
XI: C14.1 U3.53 X1.1 | length 300.1
  Top Layer w6: U3.53 -670.12,179.88 -637,213 -606,213 -594,225 -594,254.72 -569.06,279.65 -569.06,282.02 -560.47,290.61 X1.1 -483.69,290.61 C14.1
XO: C16.1 U3.54 X1.3 | length 211.7
  Top Layer w6: C16.1 -695.34,241.39 X1.3@-625.83,241.39 ; U3.54 -685.87,181.36 X1.3@-625.83,241.39 ; X1.3 X1.3@-625.83,241.39
pads on no net: D6.5 LED1.1 P1.3 P1.4 P2.3 P2.4 S1.3 S1.4 SIM1.6 SIM1.8 U1.2 U1.3 U1.4 U1.5 U1.6 U1.8 U1.9 U1.15 U1.19 U1.20 U1.21 U1.22 U1.23 U1.25 U1.26 U1.28 U1.29 U1.30 U1.31 U1.32 U1.33 U1.38 U1.39 U1.44 U1.49 U1.50 U1.51 U1.52 U1.53 U1.54 U1.55 U1.56 U1.57 U1.58 U1.59 U1.60 U1.61 U1.62 U1.63 U1.64 U1.65 U1.66 U1.67 U1.68 U1.69 U1.74 U1.75 U1.76 U1.77 U1.78 U1.79 U1.80 U1.81 U1.82 U1.83 U1.84 U1.85 U1.86 U1.87 U1.96 U1.97 U1.98 U1.99 U1.100 U1.101 U1.102 U1.103 U1.104 U1.105 U1.106 U1.107 U1.108 U1.109 U3.1 U3.9 U3.10 U3.11 U3.12 U3.13 U3.14 U3.15 U3.18 U3.19 U3.21 U3.22 U3.23 U3.24 U3.27 U3.28 U3.38 U3.39 U3.40 U3.41 U3.42 U3.44 U3.45 U3.47 U3.48 U3.49 U3.50 U6.5 U6.6 U6.12 U6.13 U7.2 U8.4 U8.6 U9.1 U9.3 U9.4 U9.5 U9.6 U9.15 U9.16 U9.17 U9.18 U9.20 USB1.0 USB1.A8 USB1.B8

## Polygon pours and split planes (outlines as drawn)
GND on Top Layer "NONET_L-01_P-001" (solid, remove dead copper, pour order 1): -1062.99,1023.62 1181.1,1023.62 1181.1,-1181.1 -1102.36,-1181.1
GND on Bottom Layer "NONET_L-01_P-001" (solid, remove dead copper, pour order 0): -1062.99,1023.62 1181.1,1023.62 1181.1,-1181.1 -1102.36,-1181.1

## Keep-outs
Keep-Out Layer:
  circle w10: c0,0 r984.25

## Other copper
Top Layer:
  pour cut-out: 590.55,-196.85 1023.62,-196.85 1023.62,-472.44 590.55,-472.44
Bottom Layer:
  rectangle net GND: 453,-56 571,135
  rectangle net GND: 579,-400.06 728.94,-351
  rectangle net GND: 712,-441 864,-379
  pour cut-out: 590.55,-196.85 1023.62,-196.85 1023.62,-472.44 590.55,-472.44

## Silkscreen, mask and mechanical layers (free items; w line width, h text height)
Top Overlay:
  text "BOOT" at -326.13,-700.87 h39.37 r270
  text "EN" at -479.13,-707.87 h39.37 r270
Bottom Overlay:
  text "N" at -398.87,828.87 h39.37
  text "P" at -331.87,828.87 h39.37
  text "AI_XiaoZhi_4G / MiXiaoJie / 20250608 / V13" at -177,234 h39.37
  text "G" at 487.13,-803.13 h39.37
  text "V" at 275.13,-809.13 h39.37